# Allegro board 038NC-GRIFFI-V9A_16.brd (continued)
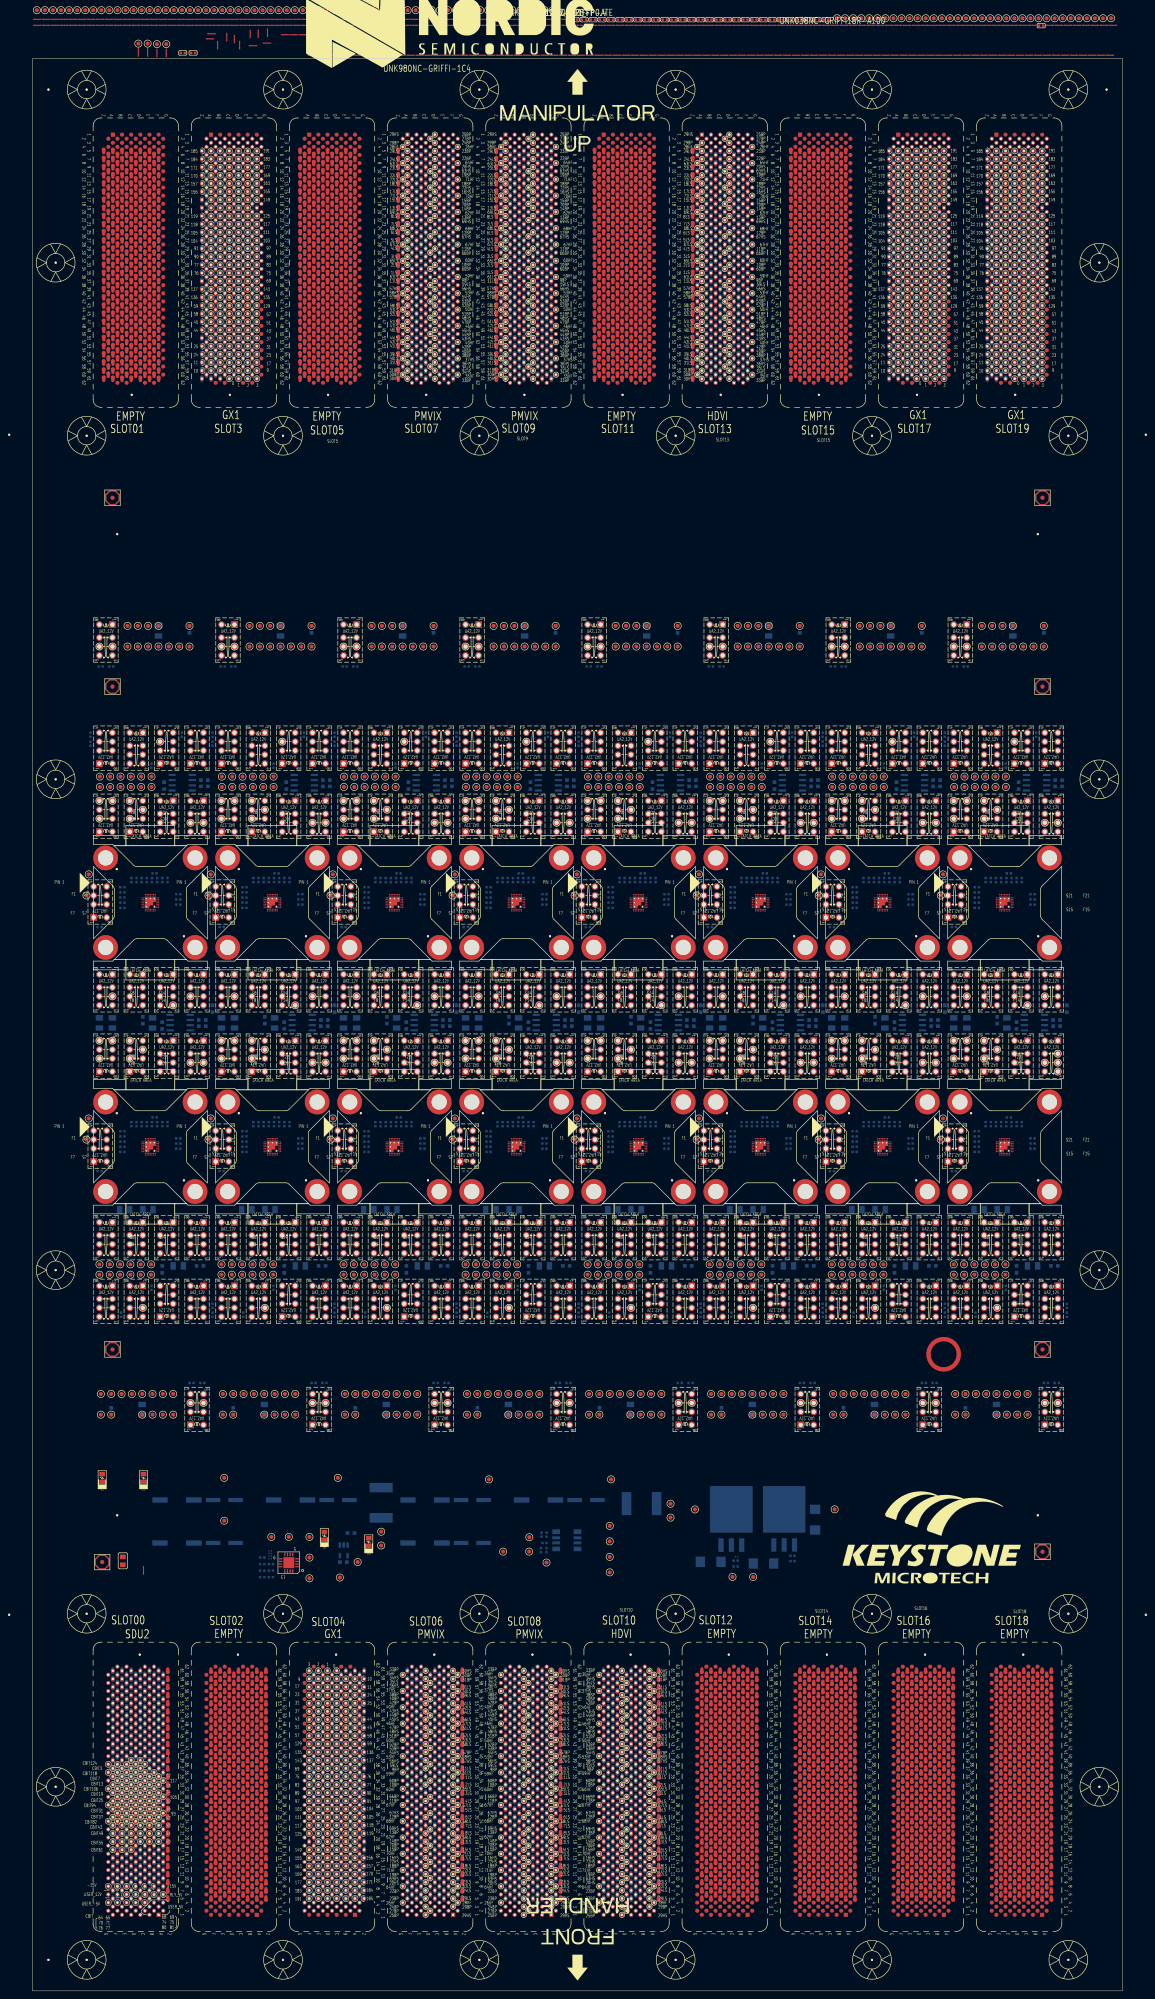
[diagram p0: board, top side]
## Nets (continued)
GX1X_612_3-36: SITE11.F2(AVSS2/TST_F) SITE11.S2(AVSS2/TST_S) SLOT3.E51 UNK11TP_AVSS2/TST.1
GX1X_613_3-37: SLOT3.F51 UNK11K13.2 UNK11TP_NPG/ATB1_G.1
GX1X_614_3-38: SLOT3.A49 UNK11K14.2 UNK11TP_NCHG/ATB0_G.1
GX1X_615_3-39: SLOT3.B49 UNK11SH37.1 UNK11TP_LSIN2/NCHGEN_G.1
GX1X_616_3-40: SLOT3.C49 UNK11SH38.1 UNK11TP_LSOUT2/SUSPEND1_G.1
GX1X_617_3-41: SITE11.F18(LED0_F) SITE11.S18(LED0_S) SLOT3.D49 UNK11TP_LED0.1
GX1X_618_3-42: SITE11.F17(LED1_F) SITE11.S17(LED1_S) SLOT3.E49 UNK11TP_LED1.1
GX1X_619_3-43: SITE11.F16(LED2_F) SITE11.S16(LED2_S) SLOT3.F49 UNK11TP_LED2.1
GX1X_620_3-44: SLOT3.Z49 UNK11SH40.1
GX1X_621_3-45: SLOT3.Z47 UNK11SH41.1
GX1X_622_3-46: SLOT3.A47
GX1X_623_3-47: SLOT3.B47
GX1X_624_3-48: SLOT3.C47
GX1X_625_3-49: SLOT3.D47 UNK13K4.4
GX1X_626_3-50: SITE13.F13(GPIO4_F) SITE13.S13(GPIO4_S) SLOT3.E47 UNK13TP_GPIO4.1
GX1X_627_3-51: SITE13.F12(GPIO3_F) SITE13.S12(GPIO3_S) SLOT3.F47 UNK13TP_GPIO3.1
GX1X_628_3-52: SITE13.F11(GPIO2_F) SITE13.S11(GPIO2_S) SLOT3.A45 UNK13TP_GPIO2.1
GX1X_629_3-53: SITE13.F10(GPIO1_F) SITE13.S10(GPIO1_S) SLOT3.B45 UNK13TP_GPIO1.1
GX1X_630_3-54: SITE13.F9(GPIO0_F) SITE13.S9(GPIO0_S) SLOT3.C45 UNK13TP_GPIO0.1
GX1X_631_3-55: SLOT3.D45 UNK13K3.4
GX1X_632_3-56: SITE13.F6(EN / SHPHLD_F) SLOT3.E45 UNK13TP_SHPHLD_F.1
GX1X_633_3-57: SITE13.S6(EN / SHPHLD_S) SLOT3.F45 UNK13TP_SHPHLD_S.1
GX1X_634_3-58: SLOT3.Z45 UNK13SH36.1 UNK13TP_LSOUT1_G.1
GX1X_635_3-59: SLOT3.Z43 UNK13SH35.1 UNK13TP_LSIN1_G.1
GX1X_636_3-60: SITE13.F2(AVSS2/TST_F) SITE13.S2(AVSS2/TST_S) SLOT3.A43 UNK13TP_AVSS2/TST.1
GX1X_637_3-61: SLOT3.B43 UNK13K13.2 UNK13TP_NPG/ATB1_G.1
GX1X_638_3-62: SLOT3.C43 UNK13K14.2 UNK13TP_NCHG/ATB0_G.1
GX1X_639_3-63: SLOT3.D43 UNK13SH37.1 UNK13TP_LSIN2/NCHGEN_G.1
GX1X_640_3-64: SLOT3.A37 UNK13SH38.1 UNK13TP_LSOUT2/SUSPEND1_G.1
GX1X_641_3-65: SITE13.F18(LED0_F) SITE13.S18(LED0_S) SLOT3.B37 UNK13TP_LED0.1
GX1X_642_3-66: SITE13.F17(LED1_F) SITE13.S17(LED1_S) SLOT3.C37 UNK13TP_LED1.1
GX1X_643_3-67: SITE13.F16(LED2_F) SITE13.S16(LED2_S) SLOT3.D37 UNK13TP_LED2.1
GX1X_644_3-68: SLOT3.E37 UNK13SH40.1
GX1X_645_3-69: SLOT3.F37 UNK13SH41.1
GX1X_646_3-70: SLOT3.A35
GX1X_647_3-71: SLOT3.B35
GX1X_648_3-72: SLOT3.C35
GX1X_649_3-73: SLOT3.D35 UNK15K4.4
GX1X_650_3-74: SITE15.F13(GPIO4_F) SITE15.S13(GPIO4_S) SLOT3.E35 UNK15TP_GPIO4.1
GX1X_651_3-75: SITE15.F12(GPIO3_F) SITE15.S12(GPIO3_S) SLOT3.F35 UNK15TP_GPIO3.1
GX1X_652_3-76: SITE15.F11(GPIO2_F) SITE15.S11(GPIO2_S) SLOT3.Z35 UNK15TP_GPIO2.1
GX1X_653_3-77: SITE15.F10(GPIO1_F) SITE15.S10(GPIO1_S) SLOT3.Z33 UNK15TP_GPIO1.1
GX1X_654_3-78: SITE15.F9(GPIO0_F) SITE15.S9(GPIO0_S) SLOT3.A33 UNK15TP_GPIO0.1
GX1X_655_3-79: SLOT3.B33 UNK15K3.4
GX1X_656_3-80: SITE15.F6(EN / SHPHLD_F) SLOT3.C33 UNK15TP_SHPHLD_F.1
GX1X_657_3-81: SITE15.S6(EN / SHPHLD_S) SLOT3.D33 UNK15TP_SHPHLD_S.1
GX1X_658_3-82: SLOT3.E33 UNK15SH36.1 UNK15TP_LSOUT1_G.1
GX1X_659_3-83: SLOT3.F33 UNK15SH35.1 UNK15TP_LSIN1_G.1
GX1X_660_3-84: SITE15.F2(AVSS2/TST_F) SITE15.S2(AVSS2/TST_S) SLOT3.A31 UNK15TP_AVSS2/TST.1
GX1X_661_3-85: SLOT3.B31 UNK15K13.2 UNK15TP_NPG/ATB1_G.1
GX1X_662_3-86: SLOT3.C31 UNK15K14.2 UNK15TP_NCHG/ATB0_G.1
GX1X_663_3-87: SLOT3.D31 UNK15SH37.1 UNK15TP_LSIN2/NCHGEN_G.1
GX1X_664_3-88: SLOT3.E31 UNK15SH38.1 UNK15TP_LSOUT2/SUSPEND1_G.1
GX1X_665_3-89: SITE15.F18(LED0_F) SITE15.S18(LED0_S) SLOT3.F31 UNK15TP_LED0.1
GX1X_666_3-90: SITE15.F17(LED1_F) SITE15.S17(LED1_S) SLOT3.Z31 UNK15TP_LED1.1
GX1X_667_3-91: SITE15.F16(LED2_F) SITE15.S16(LED2_S) SLOT3.Z29 UNK15TP_LED2.1
GX1X_668_3-92: SLOT3.A29 UNK15SH40.1
GX1X_669_3-93: SLOT3.B29 UNK15SH41.1
GX1X_670_3-94: SLOT3.C29
GX1X_671_3-95: SLOT3.D29
GX1X_672_3-96: SLOT3.E29 UNK7K3.4
GX1X_673_3-97: SITE7.F9(GPIO0_F) SITE7.S9(GPIO0_S) SLOT3.F29 UNK7TP_GPIO0.1
GX1X_674_3-98: SITE7.F10(GPIO1_F) SITE7.S10(GPIO1_S) SLOT3.A27 UNK7TP_GPIO1.1
GX1X_675_3-99: SITE7.F11(GPIO2_F) SITE7.S11(GPIO2_S) SLOT3.B27 UNK7TP_GPIO2.1
GX1X_676_3-100: SITE7.F12(GPIO3_F) SITE7.S12(GPIO3_S) SLOT3.C27 UNK7TP_GPIO3.1
GX1X_677_3-101: SITE7.F13(GPIO4_F) SITE7.S13(GPIO4_S) SLOT3.D27 UNK7TP_GPIO4.1
GX1X_678_3-102: SLOT3.E27 UNK7K4.4
GX1X_679_3-103: SLOT3.F27
GX1X_680_3-104: SLOT3.Z27
GX1X_681_3-105: SLOT3.Z25
GX1X_682_3-106: SLOT3.A25 UNK5SH41.1
GX1X_683_3-107: SLOT3.B25 UNK5SH40.1
GX1X_684_3-108: SITE5.F16(LED2_F) SITE5.S16(LED2_S) SLOT3.C25 UNK5TP_LED2.1
GX1X_685_3-109: SITE5.F17(LED1_F) SITE5.S17(LED1_S) SLOT3.D25 UNK5TP_LED1.1
GX1X_686_3-110: SITE5.F18(LED0_F) SITE5.S18(LED0_S) SLOT3.E25 UNK5TP_LED0.1
GX1X_687_3-111: SLOT3.F25 UNK5SH38.1 UNK5TP_LSOUT2/SUSPEND1_G.1
GX1X_688_3-112: SLOT3.A23 UNK5SH37.1 UNK5TP_LSIN2/NCHGEN_G.1
GX1X_689_3-113: SLOT3.B23 UNK5K14.2 UNK5TP_NCHG/ATB0_G.1
GX1X_690_3-114: SLOT3.C23 UNK5K13.2 UNK5TP_NPG/ATB1_G.1
GX1X_691_3-115: SITE5.F2(AVSS2/TST_F) SITE5.S2(AVSS2/TST_S) SLOT3.D23 UNK5TP_AVSS2/TST.1
GX1X_692_3-116: SLOT3.E23 UNK5SH35.1 UNK5TP_LSIN1_G.1
GX1X_693_3-117: SLOT3.F23 UNK5SH36.1 UNK5TP_LSOUT1_G.1
GX1X_694_3-118: SITE5.F6(EN / SHPHLD_F) SLOT3.Z23 UNK5TP_SHPHLD_F.1
GX1X_695_3-119: SITE5.S6(EN / SHPHLD_S) SLOT3.Z21 UNK5TP_SHPHLD_S.1
GX1X_696_3-120: SLOT3.A21 UNK5K3.4
GX1X_697_3-121: SITE5.F9(GPIO0_F) SITE5.S9(GPIO0_S) SLOT3.B21 UNK5TP_GPIO0.1
GX1X_698_3-122: SITE5.F10(GPIO1_F) SITE5.S10(GPIO1_S) SLOT3.C21 UNK5TP_GPIO1.1
GX1X_699_3-123: SITE5.F11(GPIO2_F) SITE5.S11(GPIO2_S) SLOT3.D21 UNK5TP_GPIO2.1
GX1X_700_3-124: SITE5.F12(GPIO3_F) SITE5.S12(GPIO3_S) SLOT3.E21 UNK5TP_GPIO3.1
GX1X_701_3-125: SITE5.F13(GPIO4_F) SITE5.S13(GPIO4_S) SLOT3.F21 UNK5TP_GPIO4.1
GX1X_702_3-126: SLOT3.B19 UNK5K4.4
GX1X_703_3-127: SLOT3.C19
GX1X_704_3-128: SLOT3.E43
GX1X_705_3-129: SLOT3.F43
GX1X_706_3-130: SLOT3.A41 UNK7SH41.1
GX1X_707_3-131: SLOT3.B41 UNK7SH40.1
GX1X_708_3-132: SITE7.F16(LED2_F) SITE7.S16(LED2_S) SLOT3.C41 UNK7TP_LED2.1
GX1X_709_3-133: SITE7.F17(LED1_F) SITE7.S17(LED1_S) SLOT3.D41 UNK7TP_LED1.1
GX1X_710_3-134: SITE7.F18(LED0_F) SITE7.S18(LED0_S) SLOT3.E41 UNK7TP_LED0.1
GX1X_711_3-135: SLOT3.F41 UNK7SH38.1 UNK7TP_LSOUT2/SUSPEND1_G.1
GX1X_712_3-136: SLOT3.Z41 UNK7SH37.1 UNK7TP_LSIN2/NCHGEN_G.1
GX1X_713_3-137: SLOT3.Z39 UNK7K14.2 UNK7TP_NCHG/ATB0_G.1
GX1X_714_3-138: SLOT3.A39 UNK7K13.2 UNK7TP_NPG/ATB1_G.1
GX1X_715_3-139: SITE7.F2(AVSS2/TST_F) SITE7.S2(AVSS2/TST_S) SLOT3.B39 UNK7TP_AVSS2/TST.1
GX1X_716_3-140: SLOT3.C39 UNK7SH35.1 UNK7TP_LSIN1_G.1
GX1X_717_3-141: SLOT3.D39 UNK7SH36.1 UNK7TP_LSOUT1_G.1
GX1X_718_3-142: SITE7.F6(EN / SHPHLD_F) SLOT3.E39 UNK7TP_SHPHLD_F.1
GX1X_719_3-143: SITE7.S6(EN / SHPHLD_S) SLOT3.F39 UNK7TP_SHPHLD_S.1
GX1X_720_3-144: SLOT3.A17
GX1X_721_3-145: SLOT3.B17
GX1X_722_3-146: SLOT3.C17 UNK3SH41.1
GX1X_723_3-147: SLOT3.D17 UNK3SH40.1
GX1X_724_3-148: SITE3.F16(LED2_F) SITE3.S16(LED2_S) SLOT3.E17 UNK3TP_LED2.1
GX1X_725_3-149: SITE3.F17(LED1_F) SITE3.S17(LED1_S) SLOT3.F17 UNK3TP_LED1.1
GX1X_726_3-150: SITE3.F18(LED0_F) SITE3.S18(LED0_S) SLOT3.A15 UNK3TP_LED0.1
GX1X_727_3-151: SLOT3.B15 UNK3SH38.1 UNK3TP_LSOUT2/SUSPEND1_G.1
GX1X_728_3-152: SLOT3.C15 UNK3SH37.1 UNK3TP_LSIN2/NCHGEN_G.1
GX1X_729_3-153: SLOT3.D15 UNK3K14.2 UNK3TP_NCHG/ATB0_G.1
GX1X_730_3-154: SLOT3.E15 UNK3K13.2 UNK3TP_NPG/ATB1_G.1
GX1X_731_3-155: SITE3.F2(AVSS2/TST_F) SITE3.S2(AVSS2/TST_S) SLOT3.F15 UNK3TP_AVSS2/TST.1
GX1X_732_3-156: SLOT3.Z15 UNK3SH35.1 UNK3TP_LSIN1_G.1
GX1X_733_3-157: SLOT3.Z13 UNK3SH36.1 UNK3TP_LSOUT1_G.1
GX1X_734_3-158: SITE3.F6(EN / SHPHLD_F) SLOT3.A13 UNK3TP_SHPHLD_F.1
GX1X_735_3-159: SITE3.S6(EN / SHPHLD_S) SLOT3.B13 UNK3TP_SHPHLD_S.1
GX1X_736_3-160: SLOT3.C13 UNK3K3.4
GX1X_737_3-161: SITE3.F9(GPIO0_F) SITE3.S9(GPIO0_S) SLOT3.D13 UNK3TP_GPIO0.1
GX1X_738_3-162: SITE3.F10(GPIO1_F) SITE3.S10(GPIO1_S) SLOT3.E13 UNK3TP_GPIO1.1
GX1X_739_3-163: SITE3.F11(GPIO2_F) SITE3.S11(GPIO2_S) SLOT3.F13 UNK3TP_GPIO2.1
GX1X_740_3-164: SITE3.F12(GPIO3_F) SITE3.S12(GPIO3_S) SLOT3.A11 UNK3TP_GPIO3.1
GX1X_741_3-165: SITE3.F13(GPIO4_F) SITE3.S13(GPIO4_S) SLOT3.B11 UNK3TP_GPIO4.1
GX1X_742_3-166: SLOT3.C11 UNK3K4.4
GX1X_743_3-167: SLOT3.D11
GX1X_744_3-168: SLOT3.E11
GX1X_745_3-169: SLOT3.F11
GX1X_746_3-170: SLOT3.Z11 UNK1SH41.1
GX1X_747_3-171: SLOT3.Z9 UNK1SH40.1
GX1X_748_3-172: SITE1.F16(LED2_F) SITE1.S16(LED2_S) SLOT3.A9 UNK1TP_LED2.1
GX1X_749_3-173: SITE1.F17(LED1_F) SITE1.S17(LED1_S) SLOT3.B9 UNK1TP_LED1.1
GX1X_750_3-174: SITE1.F18(LED0_F) SITE1.S18(LED0_S) SLOT3.C9 UNK1TP_LED0.1
GX1X_751_3-175: SLOT3.D9 UNK1SH38.1 UNK1TP_LSOUT2/SUSPEND1_G.1
GX1X_752_3-176: SLOT3.E9 UNK1SH37.1 UNK1TP_LSIN2/NCHGEN_G.1
GX1X_753_3-177: SLOT3.F9 UNK1K14.2 UNK1TP_NCHG/ATB0_G.1
GX1X_754_3-178: SLOT3.A7 UNK1K13.2 UNK1TP_NPG/ATB1_G.1
GX1X_755_3-179: SITE1.F2(AVSS2/TST_F) SITE1.S2(AVSS2/TST_S) SLOT3.B7 UNK1TP_AVSS2/TST.1
GX1X_756_3-180: SLOT3.C7 UNK1SH35.1 UNK1TP_LSIN1_G.1
GX1X_757_3-181: SLOT3.D7 UNK1SH36.1 UNK1TP_LSOUT1_G.1
GX1X_758_3-182: SITE1.F6(EN / SHPHLD_F) SLOT3.E7 UNK1TP_SHPHLD_F.1
GX1X_759_3-183: SITE1.S6(EN / SHPHLD_S) SLOT3.F7 UNK1TP_SHPHLD_S.1
GX1X_760_3-184: SLOT3.Z7 UNK1K3.4
GX1X_761_3-185: SITE1.F9(GPIO0_F) SITE1.S9(GPIO0_S) SLOT3.Z5 UNK1TP_GPIO0.1
GX1X_762_3-186: SITE1.F10(GPIO1_F) SITE1.S10(GPIO1_S) SLOT3.A5 UNK1TP_GPIO1.1
GX1X_763_3-187: SITE1.F11(GPIO2_F) SITE1.S11(GPIO2_S) SLOT3.B5 UNK1TP_GPIO2.1
GX1X_764_3-188: SITE1.F12(GPIO3_F) SITE1.S12(GPIO3_S) SLOT3.C5 UNK1TP_GPIO3.1
GX1X_765_3-189: SITE1.F13(GPIO4_F) SITE1.S13(GPIO4_S) SLOT3.D5 UNK1TP_GPIO4.1
GX1X_766_3-190: SLOT3.E5 UNK1K4.4
GX1X_767_3-191: SLOT3.F5
GX1X_768_4-0: SLOT4.C61
GX1X_769_4-1: SLOT4.D61 UNK10K4.4
GX1X_770_4-2: SITE10.F13(GPIO4_F) SITE10.S13(GPIO4_S) SLOT4.E61 UNK10TP_GPIO4.1
GX1X_771_4-3: SITE10.F12(GPIO3_F) SITE10.S12(GPIO3_S) SLOT4.F61 UNK10TP_GPIO3.1
GX1X_772_4-4: SITE10.F11(GPIO2_F) SITE10.S11(GPIO2_S) SLOT4.A59 UNK10TP_GPIO2.1
GX1X_773_4-5: SITE10.F10(GPIO1_F) SITE10.S10(GPIO1_S) SLOT4.B59 UNK10TP_GPIO1.1
GX1X_774_4-6: SITE10.F9(GPIO0_F) SITE10.S9(GPIO0_S) SLOT4.C59 UNK10TP_GPIO0.1
GX1X_775_4-7: SLOT4.D59 UNK10K3.4
GX1X_776_4-8: SITE10.F6(EN / SHPHLD_F) SLOT4.E59 UNK10TP_SHPHLD_F.1
GX1X_777_4-9: SITE10.S6(EN / SHPHLD_S) SLOT4.F59 UNK10TP_SHPHLD_S.1
GX1X_778_4-10: SLOT4.Z59 UNK10SH36.1 UNK10TP_LSOUT1_G.1
GX1X_779_4-11: SLOT4.Z57 UNK10SH35.1 UNK10TP_LSIN1_G.1
GX1X_780_4-12: SITE10.F2(AVSS2/TST_F) SITE10.S2(AVSS2/TST_S) SLOT4.A57 UNK10TP_AVSS2/TST.1
GX1X_781_4-13: SLOT4.B57 UNK10K13.2 UNK10TP_NPG/ATB1_G.1
GX1X_782_4-14: SLOT4.C57 UNK10K14.2 UNK10TP_NCHG/ATB0_G.1
GX1X_783_4-15: SLOT4.D57 UNK10SH37.1 UNK10TP_LSIN2/NCHGEN_G.1
GX1X_784_4-16: SLOT4.E57 UNK10SH38.1 UNK10TP_LSOUT2/SUSPEND1_G.1
GX1X_785_4-17: SITE10.F18(LED0_F) SITE10.S18(LED0_S) SLOT4.F57 UNK10TP_LED0.1
GX1X_786_4-18: SITE10.F17(LED1_F) SITE10.S17(LED1_S) SLOT4.A55 UNK10TP_LED1.1
GX1X_787_4-19: SITE10.F16(LED2_F) SITE10.S16(LED2_S) SLOT4.B55 UNK10TP_LED2.1
GX1X_788_4-20: SLOT4.C55 UNK10SH40.1
GX1X_789_4-21: SLOT4.D55 UNK10SH41.1
GX1X_790_4-22: SLOT4.E55
GX1X_791_4-23: SLOT4.F55
GX1X_792_4-24: SLOT4.Z55
GX1X_793_4-25: SLOT4.Z53 UNK12K4.4
GX1X_794_4-26: SITE12.F13(GPIO4_F) SITE12.S13(GPIO4_S) SLOT4.A53 UNK12TP_GPIO4.1
GX1X_795_4-27: SITE12.F12(GPIO3_F) SITE12.S12(GPIO3_S) SLOT4.B53 UNK12TP_GPIO3.1
GX1X_796_4-28: SITE12.F11(GPIO2_F) SITE12.S11(GPIO2_S) SLOT4.C53 UNK12TP_GPIO2.1
GX1X_797_4-29: SITE12.F10(GPIO1_F) SITE12.S10(GPIO1_S) SLOT4.D53 UNK12TP_GPIO1.1
GX1X_798_4-30: SITE12.F9(GPIO0_F) SITE12.S9(GPIO0_S) SLOT4.E53 UNK12TP_GPIO0.1
GX1X_799_4-31: SLOT4.F53 UNK12K3.4
GX1X_800_4-32: SITE12.F6(EN / SHPHLD_F) SLOT4.A51 UNK12TP_SHPHLD_F.1
GX1X_801_4-33: SITE12.S6(EN / SHPHLD_S) SLOT4.B51 UNK12TP_SHPHLD_S.1
GX1X_802_4-34: SLOT4.C51 UNK12SH36.1 UNK12TP_LSOUT1_G.1
GX1X_803_4-35: SLOT4.D51 UNK12SH35.1 UNK12TP_LSIN1_G.1
GX1X_804_4-36: SITE12.F2(AVSS2/TST_F) SITE12.S2(AVSS2/TST_S) SLOT4.E51 UNK12TP_AVSS2/TST.1
GX1X_805_4-37: SLOT4.F51 UNK12K13.2 UNK12TP_NPG/ATB1_G.1
GX1X_806_4-38: SLOT4.A49 UNK12K14.2 UNK12TP_NCHG/ATB0_G.1
GX1X_807_4-39: SLOT4.B49 UNK12SH37.1 UNK12TP_LSIN2/NCHGEN_G.1
GX1X_808_4-40: SLOT4.C49 UNK12SH38.1 UNK12TP_LSOUT2/SUSPEND1_G.1
GX1X_809_4-41: SITE12.F18(LED0_F) SITE12.S18(LED0_S) SLOT4.D49 UNK12TP_LED0.1
GX1X_810_4-42: SITE12.F17(LED1_F) SITE12.S17(LED1_S) SLOT4.E49 UNK12TP_LED1.1
GX1X_811_4-43: SITE12.F16(LED2_F) SITE12.S16(LED2_S) SLOT4.F49 UNK12TP_LED2.1
GX1X_812_4-44: SLOT4.Z49 UNK12SH40.1
GX1X_813_4-45: SLOT4.Z47 UNK12SH41.1
GX1X_814_4-46: SLOT4.A47
GX1X_815_4-47: SLOT4.B47
GX1X_816_4-48: SLOT4.C47
GX1X_817_4-49: SLOT4.D47 UNK14K4.4
GX1X_818_4-50: SITE14.F13(GPIO4_F) SITE14.S13(GPIO4_S) SLOT4.E47 UNK14TP_GPIO4.1
GX1X_819_4-51: SITE14.F12(GPIO3_F) SITE14.S12(GPIO3_S) SLOT4.F47 UNK14TP_GPIO3.1
GX1X_820_4-52: SITE14.F11(GPIO2_F) SITE14.S11(GPIO2_S) SLOT4.A45 UNK14TP_GPIO2.1
GX1X_821_4-53: SITE14.F10(GPIO1_F) SITE14.S10(GPIO1_S) SLOT4.B45 UNK14TP_GPIO1.1
GX1X_822_4-54: SITE14.F9(GPIO0_F) SITE14.S9(GPIO0_S) SLOT4.C45 UNK14TP_GPIO0.1
GX1X_823_4-55: SLOT4.D45 UNK14K3.4
GX1X_824_4-56: SITE14.F6(EN / SHPHLD_F) SLOT4.E45 UNK14TP_SHPHLD_F.1
GX1X_825_4-57: SITE14.S6(EN / SHPHLD_S) SLOT4.F45 UNK14TP_SHPHLD_S.1
GX1X_826_4-58: SLOT4.Z45 UNK14SH36.1 UNK14TP_LSOUT1_G.1
GX1X_827_4-59: SLOT4.Z43 UNK14SH35.1 UNK14TP_LSIN1_G.1
GX1X_828_4-60: SITE14.F2(AVSS2/TST_F) SITE14.S2(AVSS2/TST_S) SLOT4.A43 UNK14TP_AVSS2/TST.1
GX1X_829_4-61: SLOT4.B43 UNK14K13.2 UNK14TP_NPG/ATB1_G.1
GX1X_830_4-62: SLOT4.C43 UNK14K14.2 UNK14TP_NCHG/ATB0_G.1
GX1X_831_4-63: SLOT4.D43 UNK14SH37.1 UNK14TP_LSIN2/NCHGEN_G.1
GX1X_832_4-64: SLOT4.A37 UNK14SH38.1 UNK14TP_LSOUT2/SUSPEND1_G.1
GX1X_833_4-65: SITE14.F18(LED0_F) SITE14.S18(LED0_S) SLOT4.B37 UNK14TP_LED0.1
GX1X_834_4-66: SITE14.F17(LED1_F) SITE14.S17(LED1_S) SLOT4.C37 UNK14TP_LED1.1
GX1X_835_4-67: SITE14.F16(LED2_F) SITE14.S16(LED2_S) SLOT4.D37 UNK14TP_LED2.1
GX1X_836_4-68: SLOT4.E37 UNK14SH40.1
GX1X_837_4-69: SLOT4.F37 UNK14SH41.1
GX1X_838_4-70: SLOT4.A35
GX1X_839_4-71: SLOT4.B35
GX1X_840_4-72: SLOT4.C35
GX1X_841_4-73: SLOT4.D35 UNK16K4.4
GX1X_842_4-74: SITE16.F13(GPIO4_F) SITE16.S13(GPIO4_S) SLOT4.E35 UNK16TP_GPIO4.1
GX1X_843_4-75: SITE16.F12(GPIO3_F) SITE16.S12(GPIO3_S) SLOT4.F35 UNK16TP_GPIO3.1
GX1X_844_4-76: SITE16.F11(GPIO2_F) SITE16.S11(GPIO2_S) SLOT4.Z35 UNK16TP_GPIO2.1
GX1X_845_4-77: SITE16.F10(GPIO1_F) SITE16.S10(GPIO1_S) SLOT4.Z33 UNK16TP_GPIO1.1
GX1X_846_4-78: SITE16.F9(GPIO0_F) SITE16.S9(GPIO0_S) SLOT4.A33 UNK16TP_GPIO0.1
GX1X_847_4-79: SLOT4.B33 UNK16K3.4
GX1X_848_4-80: SITE16.F6(EN / SHPHLD_F) SLOT4.C33 UNK16TP_SHPHLD_F.1
GX1X_849_4-81: SITE16.S6(EN / SHPHLD_S) SLOT4.D33 UNK16TP_SHPHLD_S.1
GX1X_850_4-82: SLOT4.E33 UNK16SH36.1 UNK16TP_LSOUT1_G.1
GX1X_851_4-83: SLOT4.F33 UNK16SH35.1 UNK16TP_LSIN1_G.1
GX1X_852_4-84: SITE16.F2(AVSS2/TST_F) SITE16.S2(AVSS2/TST_S) SLOT4.A31 UNK16TP_AVSS2/TST.1
GX1X_853_4-85: SLOT4.B31 UNK16K13.2 UNK16TP_NPG/ATB1_G.1
GX1X_854_4-86: SLOT4.C31 UNK16K14.2 UNK16TP_NCHG/ATB0_G.1
GX1X_855_4-87: SLOT4.D31 UNK16SH37.1 UNK16TP_LSIN2/NCHGEN_G.1
GX1X_856_4-88: SLOT4.E31 UNK16SH38.1 UNK16TP_LSOUT2/SUSPEND1_G.1
GX1X_857_4-89: SITE16.F18(LED0_F) SITE16.S18(LED0_S) SLOT4.F31 UNK16TP_LED0.1
GX1X_858_4-90: SITE16.F17(LED1_F) SITE16.S17(LED1_S) SLOT4.Z31 UNK16TP_LED1.1
GX1X_859_4-91: SITE16.F16(LED2_F) SITE16.S16(LED2_S) SLOT4.Z29 UNK16TP_LED2.1
GX1X_860_4-92: SLOT4.A29 UNK16SH40.1
GX1X_861_4-93: SLOT4.B29 UNK16SH41.1
GX1X_862_4-94: SLOT4.C29
GX1X_863_4-95: SLOT4.D29
GX1X_864_4-96: SLOT4.E29 UNK8K3.4
GX1X_865_4-97: SITE8.F9(GPIO0_F) SITE8.S9(GPIO0_S) SLOT4.F29 UNK8TP_GPIO0.1
GX1X_866_4-98: SITE8.F10(GPIO1_F) SITE8.S10(GPIO1_S) SLOT4.A27 UNK8TP_GPIO1.1
GX1X_867_4-99: SITE8.F11(GPIO2_F) SITE8.S11(GPIO2_S) SLOT4.B27 UNK8TP_GPIO2.1
GX1X_868_4-100: SITE8.F12(GPIO3_F) SITE8.S12(GPIO3_S) SLOT4.C27 UNK8TP_GPIO3.1
GX1X_869_4-101: SITE8.F13(GPIO4_F) SITE8.S13(GPIO4_S) SLOT4.D27 UNK8TP_GPIO4.1
GX1X_870_4-102: SLOT4.E27 UNK8K4.4
GX1X_871_4-103: SLOT4.F27
GX1X_872_4-104: SLOT4.Z27
GX1X_873_4-105: SLOT4.Z25
GX1X_874_4-106: SLOT4.A25 UNK6SH41.1
GX1X_875_4-107: SLOT4.B25 UNK6SH40.1
GX1X_876_4-108: SITE6.F16(LED2_F) SITE6.S16(LED2_S) SLOT4.C25 UNK6TP_LED2.1
GX1X_877_4-109: SITE6.F17(LED1_F) SITE6.S17(LED1_S) SLOT4.D25 UNK6TP_LED1.1
GX1X_878_4-110: SITE6.F18(LED0_F) SITE6.S18(LED0_S) SLOT4.E25 UNK6TP_LED0.1
GX1X_879_4-111: SLOT4.F25 UNK6SH38.1 UNK6TP_LSOUT2/SUSPEND1_G.1
GX1X_880_4-112: SLOT4.A23 UNK6SH37.1 UNK6TP_LSIN2/NCHGEN_G.1
GX1X_881_4-113: SLOT4.B23 UNK6K14.2 UNK6TP_NCHG/ATB0_G.1
GX1X_882_4-114: SLOT4.C23 UNK6K13.2 UNK6TP_NPG/ATB1_G.1
GX1X_883_4-115: SITE6.F2(AVSS2/TST_F) SITE6.S2(AVSS2/TST_S) SLOT4.D23 UNK6TP_AVSS2/TST.1
GX1X_884_4-116: SLOT4.E23 UNK6SH35.1 UNK6TP_LSIN1_G.1
GX1X_885_4-117: SLOT4.F23 UNK6SH36.1 UNK6TP_LSOUT1_G.1
GX1X_886_4-118: SITE6.F6(EN / SHPHLD_F) SLOT4.Z23 UNK6TP_SHPHLD_F.1
GX1X_887_4-119: SITE6.S6(EN / SHPHLD_S) SLOT4.Z21 UNK6TP_SHPHLD_S.1
GX1X_888_4-120: SLOT4.A21 UNK6K3.4
GX1X_889_4-121: SITE6.F9(GPIO0_F) SITE6.S9(GPIO0_S) SLOT4.B21 UNK6TP_GPIO0.1
GX1X_890_4-122: SITE6.F10(GPIO1_F) SITE6.S10(GPIO1_S) SLOT4.C21 UNK6TP_GPIO1.1
GX1X_891_4-123: SITE6.F11(GPIO2_F) SITE6.S11(GPIO2_S) SLOT4.D21 UNK6TP_GPIO2.1
GX1X_892_4-124: SITE6.F12(GPIO3_F) SITE6.S12(GPIO3_S) SLOT4.E21 UNK6TP_GPIO3.1
GX1X_893_4-125: SITE6.F13(GPIO4_F) SITE6.S13(GPIO4_S) SLOT4.F21 UNK6TP_GPIO4.1
GX1X_894_4-126: SLOT4.B19 UNK6K4.4
GX1X_895_4-127: SLOT4.C19
GX1X_896_4-128: SLOT4.E43
GX1X_897_4-129: SLOT4.F43
GX1X_898_4-130: SLOT4.A41 UNK8SH41.1
GX1X_899_4-131: SLOT4.B41 UNK8SH40.1
GX1X_900_4-132: SITE8.F16(LED2_F) SITE8.S16(LED2_S) SLOT4.C41 UNK8TP_LED2.1
GX1X_901_4-133: SITE8.F17(LED1_F) SITE8.S17(LED1_S) SLOT4.D41 UNK8TP_LED1.1
GX1X_902_4-134: SITE8.F18(LED0_F) SITE8.S18(LED0_S) SLOT4.E41 UNK8TP_LED0.1
GX1X_903_4-135: SLOT4.F41 UNK8SH38.1 UNK8TP_LSOUT2/SUSPEND1_G.1
GX1X_904_4-136: SLOT4.Z41 UNK8SH37.1 UNK8TP_LSIN2/NCHGEN_G.1
GX1X_905_4-137: SLOT4.Z39 UNK8K14.2 UNK8TP_NCHG/ATB0_G.1
GX1X_906_4-138: SLOT4.A39 UNK8K13.2 UNK8TP_NPG/ATB1_G.1
GX1X_907_4-139: SITE8.F2(AVSS2/TST_F) SITE8.S2(AVSS2/TST_S) SLOT4.B39 UNK8TP_AVSS2/TST.1
GX1X_908_4-140: SLOT4.C39 UNK8SH35.1 UNK8TP_LSIN1_G.1
GX1X_909_4-141: SLOT4.D39 UNK8SH36.1 UNK8TP_LSOUT1_G.1
GX1X_910_4-142: SITE8.F6(EN / SHPHLD_F) SLOT4.E39 UNK8TP_SHPHLD_F.1
GX1X_911_4-143: SITE8.S6(EN / SHPHLD_S) SLOT4.F39 UNK8TP_SHPHLD_S.1
GX1X_912_4-144: SLOT4.A17
GX1X_913_4-145: SLOT4.B17
GX1X_914_4-146: SLOT4.C17 UNK4SH41.1
GX1X_915_4-147: SLOT4.D17 UNK4SH40.1
GX1X_916_4-148: SITE4.F16(LED2_F) SITE4.S16(LED2_S) SLOT4.E17 UNK4TP_LED2.1
GX1X_917_4-149: SITE4.F17(LED1_F) SITE4.S17(LED1_S) SLOT4.F17 UNK4TP_LED1.1
GX1X_918_4-150: SITE4.F18(LED0_F) SITE4.S18(LED0_S) SLOT4.A15 UNK4TP_LED0.1
GX1X_919_4-151: SLOT4.B15 UNK4SH38.1 UNK4TP_LSOUT2/SUSPEND1_G.1
GX1X_920_4-152: SLOT4.C15 UNK4SH37.1 UNK4TP_LSIN2/NCHGEN_G.1
GX1X_921_4-153: SLOT4.D15 UNK4K14.2 UNK4TP_NCHG/ATB0_G.1
GX1X_922_4-154: SLOT4.E15 UNK4K13.2 UNK4TP_NPG/ATB1_G.1
GX1X_923_4-155: SITE4.F2(AVSS2/TST_F) SITE4.S2(AVSS2/TST_S) SLOT4.F15 UNK4TP_AVSS2/TST.1
GX1X_924_4-156: SLOT4.Z15 UNK4SH35.1 UNK4TP_LSIN1_G.1
GX1X_925_4-157: SLOT4.Z13 UNK4SH36.1 UNK4TP_LSOUT1_G.1
GX1X_926_4-158: SITE4.F6(EN / SHPHLD_F) SLOT4.A13 UNK4TP_SHPHLD_F.1
GX1X_927_4-159: SITE4.S6(EN / SHPHLD_S) SLOT4.B13 UNK4TP_SHPHLD_S.1
GX1X_928_4-160: SLOT4.C13 UNK4K3.4
GX1X_929_4-161: SITE4.F9(GPIO0_F) SITE4.S9(GPIO0_S) SLOT4.D13 UNK4TP_GPIO0.1
GX1X_930_4-162: SITE4.F10(GPIO1_F) SITE4.S10(GPIO1_S) SLOT4.E13 UNK4TP_GPIO1.1
GX1X_931_4-163: SITE4.F11(GPIO2_F) SITE4.S11(GPIO2_S) SLOT4.F13 UNK4TP_GPIO2.1
GX1X_932_4-164: SITE4.F12(GPIO3_F) SITE4.S12(GPIO3_S) SLOT4.A11 UNK4TP_GPIO3.1
GX1X_933_4-165: SITE4.F13(GPIO4_F) SITE4.S13(GPIO4_S) SLOT4.B11 UNK4TP_GPIO4.1
GX1X_934_4-166: SLOT4.C11 UNK4K4.4
GX1X_935_4-167: SLOT4.D11
GX1X_936_4-168: SLOT4.E11
GX1X_937_4-169: SLOT4.F11
GX1X_938_4-170: SLOT4.Z11 UNK2SH41.1
GX1X_939_4-171: SLOT4.Z9 UNK2SH40.1
GX1X_940_4-172: SITE2.F16(LED2_F) SITE2.S16(LED2_S) SLOT4.A9 UNK2TP_LED2.1
GX1X_941_4-173: SITE2.F17(LED1_F) SITE2.S17(LED1_S) SLOT4.B9 UNK2TP_LED1.1
GX1X_942_4-174: SITE2.F18(LED0_F) SITE2.S18(LED0_S) SLOT4.C9 UNK2TP_LED0.1
GX1X_943_4-175: SLOT4.D9 UNK2SH38.1 UNK2TP_LSOUT2/SUSPEND1_G.1
GX1X_944_4-176: SLOT4.E9 UNK2SH37.1 UNK2TP_LSIN2/NCHGEN_G.1
GX1X_945_4-177: SLOT4.F9 UNK2K14.2 UNK2TP_NCHG/ATB0_G.1
GX1X_946_4-178: SLOT4.A7 UNK2K13.2 UNK2TP_NPG/ATB1_G.1
GX1X_947_4-179: SITE2.F2(AVSS2/TST_F) SITE2.S2(AVSS2/TST_S) SLOT4.B7 UNK2TP_AVSS2/TST.1
GX1X_948_4-180: SLOT4.C7 UNK2SH35.1 UNK2TP_LSIN1_G.1
GX1X_949_4-181: SLOT4.D7 UNK2SH36.1 UNK2TP_LSOUT1_G.1
GX1X_950_4-182: SITE2.F6(EN / SHPHLD_F) SLOT4.E7 UNK2TP_SHPHLD_F.1
GX1X_951_4-183: SITE2.S6(EN / SHPHLD_S) SLOT4.F7 UNK2TP_SHPHLD_S.1
GX1X_952_4-184: SLOT4.Z7 UNK2K3.4
GX1X_953_4-185: SITE2.F9(GPIO0_F) SITE2.S9(GPIO0_S) SLOT4.Z5 UNK2TP_GPIO0.1
GX1X_954_4-186: SITE2.F10(GPIO1_F) SITE2.S10(GPIO1_S) SLOT4.A5 UNK2TP_GPIO1.1
GX1X_955_4-187: SITE2.F11(GPIO2_F) SITE2.S11(GPIO2_S) SLOT4.B5 UNK2TP_GPIO2.1
GX1X_956_4-188: SITE2.F12(GPIO3_F) SITE2.S12(GPIO3_S) SLOT4.C5 UNK2TP_GPIO3.1
GX1X_957_4-189: SITE2.F13(GPIO4_F) SITE2.S13(GPIO4_S) SLOT4.D5 UNK2TP_GPIO4.1
GX1X_958_4-190: SLOT4.E5 UNK2K4.4
GX1X_959_4-191: SLOT4.F5
GX1X_3264_17-0: SLOT17.C61
GX1X_3265_17-1: SLOT17.D61
GX1X_3266_17-2: SLOT17.E61
GX1X_3267_17-3: SLOT17.F61
GX1X_3268_17-4: SLOT17.A59
GX1X_3269_17-5: SLOT17.B59
GX1X_3270_17-6: SLOT17.C59
GX1X_3271_17-7: SLOT17.D59
GX1X_3272_17-8: SLOT17.E59
GX1X_3273_17-9: SLOT17.F59
GX1X_3274_17-10: SLOT17.Z59
GX1X_3275_17-11: SLOT17.Z57
GX1X_3276_17-12: SLOT17.A57
GX1X_3277_17-13: SLOT17.B57
GX1X_3278_17-14: SLOT17.C57
GX1X_3279_17-15: SLOT17.D57
GX1X_3280_17-16: SLOT17.E57
GX1X_3281_17-17: SLOT17.F57
GX1X_3282_17-18: SLOT17.A55
GX1X_3283_17-19: SLOT17.B55
GX1X_3284_17-20: SLOT17.C55
GX1X_3285_17-21: SLOT17.D55
GX1X_3286_17-22: SLOT17.E55
GX1X_3287_17-23: SLOT17.F55
GX1X_3288_17-24: SLOT17.Z55
GX1X_3289_17-25: SLOT17.Z53
GX1X_3290_17-26: SLOT17.A53
GX1X_3291_17-27: SLOT17.B53
GX1X_3292_17-28: SLOT17.C53
GX1X_3293_17-29: SLOT17.D53
GX1X_3294_17-30: SLOT17.E53
GX1X_3295_17-31: SLOT17.F53
GX1X_3296_17-32: SLOT17.A51
GX1X_3297_17-33: SLOT17.B51
GX1X_3298_17-34: SLOT17.C51
GX1X_3299_17-35: SLOT17.D51
GX1X_3300_17-36: SLOT17.E51
GX1X_3301_17-37: SLOT17.F51
GX1X_3302_17-38: SLOT17.A49
GX1X_3303_17-39: SLOT17.B49
GX1X_3304_17-40: SLOT17.C49
GX1X_3305_17-41: SLOT17.D49
GX1X_3306_17-42: SLOT17.E49
GX1X_3307_17-43: SLOT17.F49
GX1X_3308_17-44: SLOT17.Z49
GX1X_3309_17-45: SLOT17.Z47
GX1X_3310_17-46: SLOT17.A47
GX1X_3311_17-47: SLOT17.B47
GX1X_3312_17-48: SLOT17.C47
GX1X_3313_17-49: SLOT17.D47
GX1X_3314_17-50: SLOT17.E47
GX1X_3315_17-51: SLOT17.F47
GX1X_3316_17-52: SLOT17.A45
GX1X_3317_17-53: SLOT17.B45
GX1X_3318_17-54: SLOT17.C45
GX1X_3319_17-55: SLOT17.D45
GX1X_3320_17-56: SLOT17.E45
GX1X_3321_17-57: SLOT17.F45
GX1X_3322_17-58: SLOT17.Z45
GX1X_3323_17-59: SLOT17.Z43
GX1X_3324_17-60: SLOT17.A43
GX1X_3325_17-61: SLOT17.B43
GX1X_3326_17-62: SLOT17.C43
GX1X_3327_17-63: SLOT17.D43
GX1X_3328_17-64: SLOT17.A37
GX1X_3329_17-65: SLOT17.B37
GX1X_3330_17-66: SLOT17.C37
GX1X_3331_17-67: SLOT17.D37
GX1X_3332_17-68: SLOT17.E37
GX1X_3333_17-69: SLOT17.F37
GX1X_3334_17-70: SLOT17.A35
GX1X_3335_17-71: SLOT17.B35
GX1X_3336_17-72: SLOT17.C35
GX1X_3337_17-73: SLOT17.D35
GX1X_3338_17-74: SLOT17.E35
GX1X_3339_17-75: SLOT17.F35
GX1X_3340_17-76: SLOT17.Z35
GX1X_3341_17-77: SLOT17.Z33
GX1X_3342_17-78: SLOT17.A33
GX1X_3343_17-79: SLOT17.B33
GX1X_3344_17-80: SLOT17.C33
GX1X_3345_17-81: SLOT17.D33
GX1X_3346_17-82: SLOT17.E33
GX1X_3347_17-83: SLOT17.F33
GX1X_3348_17-84: SLOT17.A31
GX1X_3349_17-85: SLOT17.B31
GX1X_3350_17-86: SLOT17.C31
GX1X_3351_17-87: SLOT17.D31
GX1X_3352_17-88: SLOT17.E31
GX1X_3353_17-89: SLOT17.F31
GX1X_3354_17-90: SLOT17.Z31
GX1X_3355_17-91: SLOT17.Z29
GX1X_3356_17-92: SLOT17.A29
GX1X_3357_17-93: SLOT17.B29
GX1X_3358_17-94: SLOT17.C29
GX1X_3359_17-95: SLOT17.D29
GX1X_3360_17-96: SLOT17.E29
GX1X_3361_17-97: SLOT17.F29
GX1X_3362_17-98: SLOT17.A27
GX1X_3363_17-99: SLOT17.B27
GX1X_3364_17-100: SLOT17.C27
GX1X_3365_17-101: SLOT17.D27
GX1X_3366_17-102: SLOT17.E27
GX1X_3367_17-103: SLOT17.F27
GX1X_3368_17-104: SLOT17.Z27
GX1X_3369_17-105: SLOT17.Z25
GX1X_3370_17-106: SLOT17.A25
GX1X_3371_17-107: SLOT17.B25
GX1X_3372_17-108: SLOT17.C25
GX1X_3373_17-109: SLOT17.D25
GX1X_3374_17-110: SLOT17.E25
GX1X_3375_17-111: SLOT17.F25
GX1X_3376_17-112: SLOT17.A23
GX1X_3377_17-113: SLOT17.B23
GX1X_3378_17-114: SLOT17.C23
GX1X_3379_17-115: SLOT17.D23
GX1X_3380_17-116: SLOT17.E23
GX1X_3381_17-117: SLOT17.F23
GX1X_3382_17-118: SLOT17.Z23
GX1X_3383_17-119: SLOT17.Z21
GX1X_3384_17-120: SLOT17.A21
GX1X_3385_17-121: SLOT17.B21
GX1X_3386_17-122: SLOT17.C21
GX1X_3387_17-123: SLOT17.D21
GX1X_3388_17-124: SLOT17.E21
GX1X_3389_17-125: SLOT17.F21
GX1X_3390_17-126: SLOT17.B19
GX1X_3391_17-127: SLOT17.C19
GX1X_3392_17-128: SLOT17.E43
GX1X_3393_17-129: SLOT17.F43
GX1X_3394_17-130: SLOT17.A41
GX1X_3395_17-131: SLOT17.B41
GX1X_3396_17-132: SLOT17.C41
GX1X_3397_17-133: SLOT17.D41
GX1X_3398_17-134: SLOT17.E41
GX1X_3399_17-135: SLOT17.F41
GX1X_3400_17-136: SLOT17.Z41
GX1X_3401_17-137: SLOT17.Z39
GX1X_3402_17-138: SLOT17.A39
GX1X_3403_17-139: SLOT17.B39
GX1X_3404_17-140: SLOT17.C39
GX1X_3405_17-141: SLOT17.D39
GX1X_3406_17-142: SLOT17.E39
GX1X_3407_17-143: SLOT17.F39
GX1X_3408_17-144: SLOT17.A17
GX1X_3409_17-145: SLOT17.B17
GX1X_3410_17-146: SLOT17.C17
GX1X_3411_17-147: SLOT17.D17
GX1X_3412_17-148: SLOT17.E17
GX1X_3413_17-149: SLOT17.F17
GX1X_3414_17-150: SLOT17.A15
GX1X_3415_17-151: SLOT17.B15
GX1X_3416_17-152: SLOT17.C15
GX1X_3417_17-153: SLOT17.D15
GX1X_3418_17-154: SLOT17.E15
